# Altium PCB board.PcbDoc (part 2 of 2)
Units mm, origin at the board's own origin, x right, y up, seen from the top; angles counter-clockwise.
Board outline 122.6 x 89.6 mm, 4 copper layers (Top Layer, Mid Layer 1, Mid Layer 2, Bottom Layer), stack 1.57 mm thick; 184 components, 111 nets, 541 pads, 472 vias.
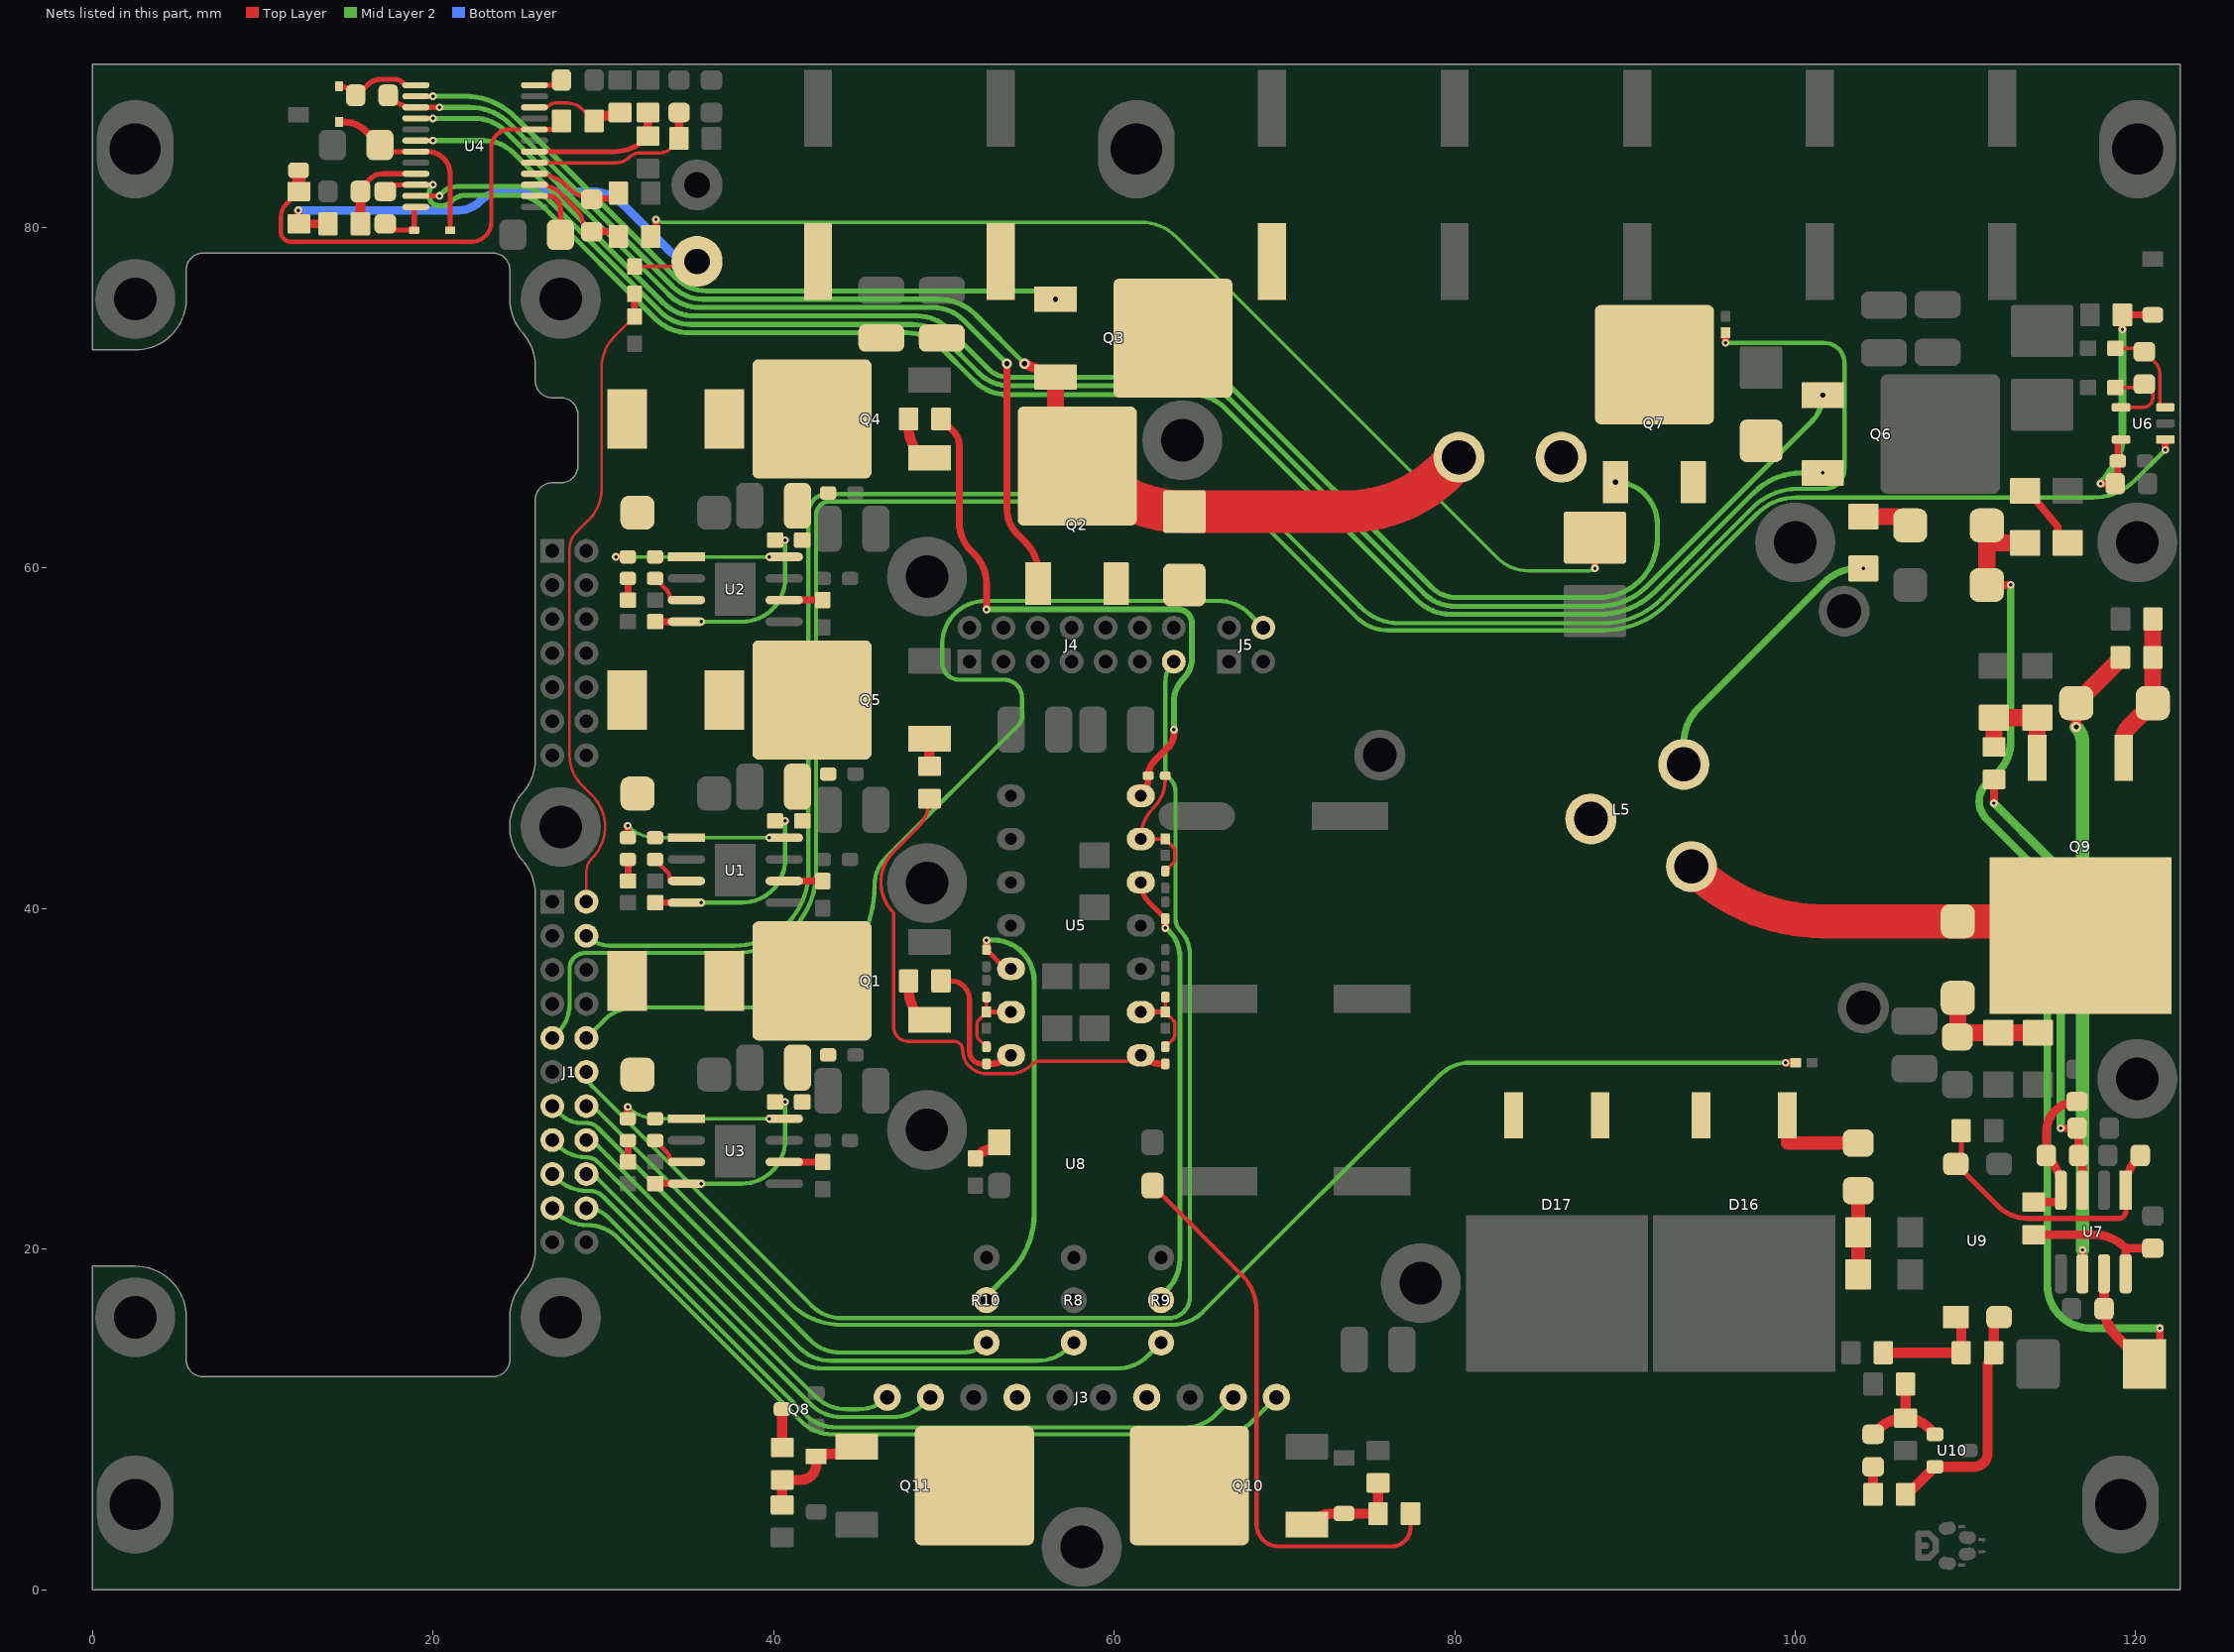
[diagram p4: the nets of this part, all layers, seen from the top]

## Via types
v1: diameter 0.6, hole 0.3, Top Layer to Bottom Layer, tented both sides, 425 vias
v2: diameter 0.45, hole 0.2, Top Layer to Bottom Layer, tented both sides, 47 vias

## Nets (pads, with @x,y where several pads share a name; then routed paths per layer and width w, separated by ;. In a path a pad name is that pad's centre, name@x,y a point inside that pad or via, vN(x,y) a via of type N, cw(c..) or ccw(c..) an arc to the next point about the centre after c; other vN are vias at no path point) (continued)
NetC11_1: C11.1 R7.2 U4.5 | length 10.4
  Top Layer w0.2: U4.5@26.079,83.804 30.784,83.804 ccw(c30.784,84.816) 31.5,84.1 cw(c32.19,83.41) 32.19,84.386 33.346,84.386 ccw(c33.346,85.22) 33.936,84.63 34.38,85.074 ccw(c34.23,85.224) R7.2@34.442,85.224
  Top Layer w0.5: R7.2@34.442,85.224 C11.1@34.442,86.748
NetC12_2: C12.2 R9.2 U5.5 | length 25.5
  Top Layer w0.3: U5.5@61.56,41.54 ccw(c63.25,41.54) 62.055,40.345 C12.2@63,39.4
  Top Layer w0.45: v2(63,38.851) C12.2@63,39.4
  Mid Layer 2 w0.3: R9.2@62.75,17.25 63.112,17.612 ccw(c61.316,19.408) 63.856,19.408 63.856,37.16 ccw(c61.701,37.16) 63.456,38.409 ccw(c61.701,37.16) 63.225,38.683 63.097,38.81 ccw(c63,38.713) v2(63,38.851)
NetC13_1: C13.1 U4.12 | length 1.5
  Top Layer w0.3: U4.12@26.079,88.354 26.823,88.354 ccw(c26.823,89.376) C13.1@27.546,88.653
NetC14_2: C14.2 R10.2 U5.12 | length 26
  Top Layer w0.3: C14.2@52.5,37.584 53.401,36.683 ccw(c53.94,37.223) U5.12@53.94,36.46
  Top Layer w0.45: C14.2@52.5,37.584 v2(52.5,38.133)
  Mid Layer 2 w0.3: R10.2@52.5,17.25 53.875,18.625 ccw(c50.436,22.065) 55.3,22.065 55.3,35.728 ccw(c52.875,35.728) 52.628,38.14 v2(52.5,38.133)
NetC15_1: C15.1 U4.2 | length 3.4
  Top Layer w0.3: U4.2@26.079,81.854 26.721,81.854 cw(c26.721,81.096) 27.479,81.096 C15.1@27.479,79.567
NetC16_1: C16.1 R14.1 | length 1.3
  Top Layer w0.4: C16.1@31.431,42.885 cw(c31.431,42.866) 31.45,42.866 R14.1@31.45,41.615
NetC16_2: C16.2 U1.3 | length 2.6
  Top Layer w0.25: C16.2@33.031,42.885 33.715,42.202 cw(c33.269,41.756) 33.899,41.756 33.899,41.615 U1.3@34.875,41.615
NetC17_1: C17.1 R15.1 | length 1.3
  Top Layer w0.4: R15.1@31.45,58.115 C17.1@31.45,59.366
NetC17_2: C17.2 U2.3 | length 2.6
  Top Layer w0.25: C17.2@33.031,59.385 33.714,58.702 cw(c33.269,58.256) 33.899,58.256 33.899,58.115 U2.3@34.875,58.115
NetC18_1: C18.1 R16.1 | length 1.3
  Top Layer w0.4: R16.1@31.45,25.115 C18.1@31.45,26.366
NetC18_2: C18.2 U3.3 | length 2.6
  Top Layer w0.25: C18.2@33.031,26.385 33.714,25.702 cw(c33.269,25.256) 33.899,25.256 33.899,25.115 U3.3@34.875,25.115
NetC19_1: C19.1 R12.1 U4.21 | length 5.7
  Top Layer w0.3: C19.1@15.73,82.113 15.992,82.113 cw(c17.033,82.113) 17.033,83.154 U4.21@18.888,83.154
  Top Layer w0.6: R12.1@15.73,80.208 C19.1@15.73,82.113
NetC20_1: C20.1 D2.2 L1.1 U1.1
NetC20_2: C20.2 U1.8 | length 9.2
  Top Layer w0.4: C20.2@31.431,44.155 v2(31.431,44.856)
  Mid Layer 2 w0.2: v2(31.431,44.856) ccw(c33.123,46.548) 33.123,44.155 v2(39.75,44.155)
NetC21_1: C21.1 D3.2 L2.1 U2.1
NetC21_2: C21.2 U2.8 | length 9.7
  Top Layer w0.4: v2(30.73,60.654) C21.2@31.431,60.655
  Mid Layer 2 w0.2: v2(30.73,60.654) v2(39.75,60.655)
NetC22_1: C22.1 D4.2 L3.1 U3.1
NetC22_2: C22.2 U3.8 | length 9.2
  Top Layer w0.4: C22.2@31.431,27.655 v2@31.431,28.355
  Mid Layer 2 w0.2: v2(31.43,28.356) ccw(c33.123,30.048) 33.123,27.655 v2(39.75,27.655)
NetC23_1: C23.1 D5.1 D6.1 U4.19 | length 11.4
  Top Layer w0.3: C23.1@16.577,84.864 16.987,84.454 18.888,84.454 19.677,84.454 cw(c19.677,83.133) 20.998,83.133 D5.1@20.998,79.964
  Top Layer w0.4: D6.1@14.477,86.184 14.838,86.184 cw(c14.838,84.579) 15.972,85.714 ; 15.973,85.714 16.783,84.903 ccw(c16.877,84.997) C23.1@16.877,84.864
NetC24_2: C24.2 C29.2 R18.1 U5.2 | length 4.8
  Top Layer w0.2: C29.2@63,31.88 63.462,32.342 ccw(c63.251,32.553) 63.549,32.553 63.549,33.237 ccw(c63.236,33.237) 63.458,33.458 R18.1@62.996,33.92 63,33.924 C24.2@63,34.8
  Top Layer w0.3: U5.2@61.56,33.92 R18.1@62.996,33.92
NetC25_2: C25.2 C27.1 R19.1 U5.6 | length 7.9
  Top Layer w0.2: C25.2@62.996,42.2 63.479,42.684 ccw(c63.299,42.863) 63.554,42.863 63.554,43.417 ccw(c63.299,43.417) 63.479,43.596 R19.1@62.996,44.08 U5.6@61.56,44.08 61.56,44.108 cw(c64.1,44.108) 62.304,45.904 ccw(c60.624,47.584) 63,47.584 C27.1@63,47.8
NetC26_2: C26.2 C28.1 R20.1 U5.13 | length 4.8
  Top Layer w0.2: 52.038,32.342 cw(c52.249,32.553) 51.951,32.553 51.951,33.237 cw(c52.264,33.237) 52.042,33.458 R20.1@52.504,33.92 52.5,33.924 C26.2@52.5,34.8 ; 52.038,32.342 C28.1@52.5,31.88
  Top Layer w0.3: R20.1@52.504,33.92 U5.13@53.94,33.92
NetC27_2: C27.2 R28.2 U5.7 | length 35.7
  Top Layer w0.4: R28.2@49.828,68.75 50.562,68.016 cw(c49.745,67.2) 50.9,67.2 50.9,62.69 ccw(c53.29,62.69) 51.6,61 51.758,60.842 cw(c49.962,59.046) 52.502,59.046 v2@52.502,57.516 ; U5.7@61.56,46.62 ccw(c60.498,47.682) 62,47.682 C27.2@62,47.8 cw(c63.207,47.8) 62.354,48.654 63.174,49.474 ; 63.175,49.475 ccw(c62.369,50.28) 63.508,50.28 v2(63.508,50.5)
  Mid Layer 2 w0.35: v2(52.502,57.567) 63.744,57.567 cw(c63.744,56.744) 64.567,56.744 64.567,54.719 cw(c62.832,54.719) 64.059,53.492 ; v2(63.508,50.5) 63.508,52.163 cw(c65.389,52.163) 64.058,53.492
NetC28_2: C28.2 R29.2 U5.14 | length 8.3
  Top Layer w0.3: R29.2@49.828,35.75 50.396,35.75 cw(c50.396,34.646) 51.5,34.646 51.5,31.6 ccw(c52.22,31.6) 52.22,30.88 C28.2@52.5,30.88
  Top Layer w0.4: C28.2@52.5,30.88 52.733,30.88 ccw(c52.733,32.587) U5.14@53.94,31.38
NetC29_1: C29.1 R27.2 U5.1 | length 32.5
  Top Layer w0.2: R27.2@49.15,46.447 cw(c46.742,46.447) 48.445,44.745 47.044,43.344 ccw(c48.84,41.548) 47.044,39.752 47.044,33.056 ccw(c47.9,33.056) 47.9,32.2 50.6,32.2 cw(c50.6,31.7) 51.1,31.7 ccw(c52.5,31.7) 52.5,30.3 53.893,30.3 ccw(c53.893,32.007) 55.1,30.8 cw(c55.66,30.24) 55.66,31.032 60.72,31.032 ccw(c60.72,32.22) 61.557,31.377 ccw(c60.72,32.22) U5.1@61.56,31.38
  Top Layer w0.4: U5.1@61.557,31.377 ccw(c62.762,32.587) 62.762,30.88 C29.1@63,30.88
NetC30_2: C30.2 C33.2 L1.2 Q5.2 R21.1
NetC31_2: C31.2 C34.2 L2.2 Q4.2 R23.1
NetC32_2: C32.2 C35.2 L3.2 Q1.2 R25.1
NetC36_1: C36.1 D5.2 U4.24 | length 3.5
  Top Layer w0.3: C36.1@17.187,80.208 17.187,79.837 D5.2@18.888,79.837 18.888,81.104 U4.24@18.988,81.204
NetC36_2: C36.2 D8.1 L4.2 Q6.3 Q7.2 U4.22 | length 98.6
  Top Layer w0.3: C36.2@17.187,82.113 17.578,82.504 U4.22@18.888,82.504 ; U4.22@18.988,82.504 v2(19.987,82.503)
  Top Layer w1.5: Q7.2@91.727,71.94 cw(c91.727,71.822) Q7.2@91.811,71.906
  Mid Layer 2 w0.3: v2(19.987,82.503) 19.966,82.482 ccw(c20.433,82.015) 19.773,82.015 19.773,81.827 ccw(c20.32,81.827) 20.32,81.28 20.554,81.28 ccw(c20.554,81.94) 21.021,81.473 21.112,81.564 cw(c21.907,80.769) 21.907,81.893 24.812,81.893 cw(c24.812,79.521) 26.489,81.198 33.051,74.637 ccw(c35.046,76.631) 35.046,73.81 47.841,73.81 cw(c47.841,71.082) 49.771,73.011 51.799,70.983 ccw(c53.738,72.922) 53.738,70.18 64.632,70.18 cw(c64.632,67.576) 66.473,69.417 77.792,58.098 ccw(c79.759,60.064) 79.759,57.283 88.516,57.283 ccw(c88.516,61.902) 91.783,58.636 97.572,64.425 cw(c100.362,61.635) 100.362,65.581 v2(101.612,65.581)
NetC37_1: C37.1 D6.2 U4.13 | length 5
  Top Layer w0.3: D6.2@14.477,88.294 cw(c14.477,87.225) 15.232,87.981 C37.1@15.455,87.758 ccw(c15.455,87.978) 15.61,87.823 16.18,88.393 cw(c16.922,87.651) 16.922,88.7 17.759,88.7 cw(c17.759,88.109) 18.177,88.527 18.35,88.354 U4.13@18.888,88.354
NetC37_2: C37.2 D7.2 L4.1 Q2.2 Q3.3 U4.15 | length 75.1
  Top Layer w0.3: C37.2@17.36,87.758 17.482,87.636 ccw(c18.888,89.041) U4.15@18.888,87.054 ; U4.15@18.988,87.054 v2@20.368,87.054
  Top Layer w0.6: v1(54.737,72) Q3.3@56.55,71.214
  Top Layer w1: Q3.3@56.55,71.214 56.55,68.311 ccw(c59.09,68.311) 57.294,66.515 Q2.2@57.828,65.981
  Top Layer w2.5: Q2.2@57.828,65.981 58.264,65.981 58.687,65.558 ccw(c64.123,70.993) D7.2@64.123,63.306 73.618,63.306 ccw(c73.618,71.607) 79.487,65.737 L4.1@80.25,66.5
  Mid Layer 2 w0.3: v2(20.368,87.054) 22.137,87.054 cw(c22.137,83.653) 24.542,86.058 34.07,76.53 ccw(c35.866,78.326) 35.866,75.786 49.649,75.786 cw(c49.649,72.643) 51.872,74.865 v1(54.737,72)
NetC38_1: C38.1 R32.1 U4.3 | length 6.2
  Top Layer w0.25: U4.3@26.079,82.504 26.256,82.504 cw(c26.256,80.756) 27.492,81.992 28.371,81.112 cw(c27.266,80.007) 28.829,80.007 cw(c28.829,79.449) 29.224,79.844 C38.1@29.319,79.749 ; R32.1@30.85,79.749 ccw(c30.85,79.792) R32.1@30.881,79.761
  Top Layer w0.4: C38.1@29.319,79.749 R32.1@30.85,79.749
NetC38_2: C38.2 R33.1 U4.4 | length 5.2
  Top Layer w0.25: U4.4@26.079,83.154 cw(c26.079,80.646) 27.852,82.419 27.991,82.28 ccw(c29.411,83.699) 27.993,82.278 ccw(c29.411,83.699) 28.531,81.895 ccw(c29.411,83.699) C38.2@29.411,81.692
  Top Layer w0.4: C38.2@29.411,81.692 R33.1@30.881,81.692
NetC39_1: C39.1 R42.2 U7.8 | length 8.7
  Top Layer w0.5: R42.2@114,20.845 117.555,20.845 cw(c117.555,18.305) 119.351,20.101 119.405,20.047 ; U7.8@119.405,18.55 119.405,20.047 ; C39.1@121,20.047 119.405,20.047
NetC40_1: C40.1 R40.2 U6.3 | length 5.7
  Top Layer w0.2: R40.2@118.8,72.91 120.5,72.91 C40.1@120.5,72.702 121.144,72.058 cw(c120.498,71.412) 121.412,71.412 121.412,69.756 ccw(c121.732,69.756) U6.3@121.732,69.436
NetC40_2: C40.2 R43.2 U6.4 | length 5.2
  Top Layer w0.2: R43.2@118.8,70.59 120.5,70.59 C40.2@120.5,70.797 cw(c120.5,70.292) 121.006,70.292 121.006,70.028 cw(c120.414,70.028) 120.414,69.436 U6.4@119.132,69.436
NetC41_1: C41.1 C43.1 R42.1 U7.4 | length 8.8
  Top Layer w0.5: R42.1@114,22.75 115.585,22.75 115.585,23.816 ccw(c113.055,23.591) 114.851,25.387 C43.1@114.739,25.5 114.739,26.852 cw(c116.548,26.852) C41.1@116.548,28.661
NetC42_2: C42.2 R44.1 U7.1 U9.4 | length 17
  Top Layer w0.3: R44.1@109.748,26.955 109.748,25.767 cw(c108.663,25.767) U9.4@109.43,25 111.889,22.541 ccw(c113.685,24.337) 113.685,21.797 118.964,21.797 ccw(c118.964,22.256) 119.422,22.27 U7.1@119.405,23.45
  Top Layer w0.5: U7.1@119.405,23.45 119.405,23.591 cw(c121.945,23.591) 120.149,25.387 C42.2@120.262,25.5
NetC43_2: C43.2 C47.1 R49.1 U7.3 | length 26.7
  Top Layer w0.45: v2(111.67,46.186) R49.1@111.67,47.586 ; v2(115.6,27.1) C47.1@116.548,27.101
  Top Layer w0.5: C47.1@116.548,27.101 cw(c116.316,26.869) 116.644,26.869 C43.2@116.644,25.5 cw(c116.109,24.965) 116.865,24.965 U7.3@116.865,23.45
  Mid Layer 2 w0.5: v2(111.67,46.186) 114.856,43 cw(c113.06,41.204) 115.6,41.204 v2(115.6,27.1)
NetC44_2: C44.2 C45.2 D9.2 R39.1 U6.5 | length 15.6
  Top Layer w0.4: C45.2@118.941,64.948 C44.2@118.941,66.28 118.941,67.345 cw(c119.132,67.345) U6.5@119.132,67.536 ; R39.1@119.215,74.865 D9.2@121,74.865
  Top Layer w0.45: v2(117.934,64.948) C45.2@118.788,64.948 ; v2(119.215,74.011) R39.1@119.215,74.865
  Mid Layer 2 w0.45: v2(117.934,64.948) ccw(c114.843,68.04) 119.215,68.04 v2(119.215,74.011)
NetC46_1: C46.1 C48.1 D10.2 D12.2 R46.2 U7.7 | length 67
  Top Layer w0.45: D10.2@111.25,59 v2(112.65,59) ; C46.1@120.507,13.25 121.407,14.15 v2(121.407,15.35)
  Top Layer w0.6: U7.7@118.135,18.55 118.135,16.674 ccw(c120.675,16.674) 118.879,14.878 C46.1@120.507,13.25
  Top Layer w1: D10.2@111.25,59 111.25,61.476 ; D12.2@111.25,62.5 111.25,61.476 ; R46.2@113.5,61.476 111.25,61.476
  Mid Layer 2 w0.45: v2(112.65,59) 112.65,49.802 cw(c110.11,49.802) 111.906,48.006 111.224,47.324 ccw(c112.249,46.3) 110.8,46.3 ccw(c112.249,46.3) 111.224,45.276 114.056,42.444 cw(c112.26,40.648) 114.8,40.648 114.8,17.89 ccw(c117.34,17.89) 117.34,15.35 v2(121.407,15.35)
NetC52_2: C52.2 D13.2 R50.2 R53.2 | length 6.7
  Top Layer w1: D13.2@109.542,34.75 109.542,32.713 R50.2@111.917,32.713 R53.2@114.248,32.713
NetC59_1: C59.1 R60.2 R61.2 | length 4.9
  Top Layer w0.8: R61.2@103.7,18.508 R60.2@103.7,20.985 C59.1@103.7,23.425
NetC59_2: C59.2 D16.1 D16.3 D17.1 D17.3 L5.6 | length 5.8
  Top Layer w0.8: D16.1@99.54,27.85 99.54,26.225 C59.2@103.7,26.225
NetC67_1: C67.1 R65.2 R66.1 U10.1 | length 6.2
  Top Layer w0.6: C67.1@104.572,9.121 104.851,9.4 cw(c106.477,7.774) R66.1@106.477,10.074 ; R65.2@106.477,12.074 R66.1@106.477,10.074 ; U10.1@108.2,9.119 107.788,9.53 ccw(c106.477,8.219) R66.1@106.477,10.074
NetC67_2: C67.2 R64.2 | length 1.6
  Top Layer w0.6: R64.2@104.572,5.6 C67.2@104.572,7.216
NetD1_2: D1.2 R1.1 R2.2 U4.8 | length 26.3
  Top Layer w0.25: R1.1@12.112,82.113 11.379,81.38 ccw(c12.154,80.605) 11.058,80.605 11.058,79.738 ccw(c11.631,79.738) 11.631,79.165 22.276,79.165 ccw(c22.276,80.307) 23.418,80.307 23.418,84.684 cw(c24.488,84.684) 24.488,85.754 U4.8@26.079,85.754
  Top Layer w0.3: U4.8@26.079,85.754 R2.2@27.389,85.754
  Top Layer w0.8: D1.2@12.1,83.356 12.1,82.125 R1.1@12.112,82.113
NetD7_1: D7.1 Q2.3 Q7.3 R32.2 R34.2 | length 66.4
  Top Layer w0.4: R32.2@32.786,79.461 33.086,79.761 v2(33.086,80.461) ; v2(88.236,59.983) R34.2@88.236,61.783
  Mid Layer 2 w0.2: v2(33.086,80.461) ccw(c33.453,80.829) 33.453,80.309 61.551,80.309 cw(c61.551,77.316) 63.667,79.433 82.518,60.582 ccw(c84.314,62.378) 84.314,59.838 87.886,59.838 ccw(c87.886,60.333) v2(88.236,59.983)
NetD11_1: D11.1 Q9.1 R48.1 R51.1 | length 8.8
  Top Layer w1: Q9.1@119.29,48.85 119.29,49.972 cw(c120.204,49.972) 119.558,50.619 D11.1@121,52.061 R48.1@121,54.75 R51.1@121,57
NetD11_2: D11.2 R48.2 U7.6 | length 37.4
  Top Layer w0.45: U7.6@116.865,18.55 v2(116.865,19.95)
  Top Layer w0.6: v1(116.5,50.661) D11.2@116.5,52.061
  Top Layer w1: D11.2@116.5,52.061 119.028,54.589 ccw(c118.867,54.75) R48.2@119.095,54.75
  Mid Layer 2 w0.8: v1(116.5,50.661) cw(c115.619,49.78) 116.865,49.78 v2(116.865,19.95)
NetD12_1: D12.1 R52.2 | length 2.9
  Top Layer w1: R52.2@104,63.024 105.847,63.024 cw(c105.847,62.11) 106.494,62.756 D12.1@106.75,62.5
NetD13_1: D13.1 L5.2 Q9.2 | length 24.6
  Top Layer w2: L5.2@93.9,42.465 ccw(c101.663,50.228) 101.663,39.25 D13.1@109.542,39.25 116.75,39.25 Q9.2@116.75,38.4
NetD14_2: D14.2 Q10.1 R56.2 R58.1 | length 6.2
  Top Layer w0.6: Q10.1@71.31,3.814 cw(c72.882,2.242) 72.882,4.465 D14.2@73.5,4.465 R56.2@75.5,4.465 R58.1@75.5,6.264
NetD15_1: D15.1 Q11.1 R57.2 R59.2 | length 6.9
  Top Layer w0.6: R59.2@40.5,4.969 40.5,6.437 41.575,6.437 ccw(c41.575,7.362) 42.5,7.362 D15.1@42.5,7.834 ; D15.1@42.632,7.966 44.47,7.966 Q11.1@44.89,8.386
NetJ3_4: J3.4 Q11.2
NetJ3_7: J3.7 Q10.2
NetL5_4: L5.4 R52.1 | length 16.5
  Mid Layer 2 w0.4: L5.4@93.45,48.465 93.45,49.698 cw(c96.383,49.698) 94.309,51.772 101.68,59.143 cw(c103.695,57.128) v2@103.998,59.962
  other v2: 104,59.976
NetQ1_1: Q1.1 R29.1 | length 2.6
  Top Layer w0.6: R29.1@47.923,35.75 47.923,35.304 ccw(c50.463,35.304) 48.667,33.508 Q1.1@48.798,33.377
NetQ2_1: Q2.1 U4.16 | length 53.8
  Top Layer w0.3: U4.16@18.988,86.404 v2@19.987,86.404
  Top Layer w0.4: v1(53.7,72) 53.7,63.449 ccw(c55.749,63.449) 54.3,62 54.798,61.502 cw(c53.002,59.706) 55.542,59.706 Q2.1@55.542,59.081
  Mid Layer 2 w0.3: v2(19.987,86.404) 22.444,86.404 cw(c22.444,83.864) 24.24,85.66 33.856,76.044 ccw(c35.652,77.84) 35.652,75.3 49.348,75.3 cw(c49.348,72.76) 51.144,74.556 v1(53.7,72)
NetQ3_1: Q3.1 U4.14 | length 42.1
  Top Layer w0.3: U4.14@18.988,87.704 v2(19.987,87.704)
  Mid Layer 2 w0.3: v2(19.987,87.704) 21.838,87.704 cw(c21.838,83.46) 24.839,86.461 34.312,76.988 ccw(c36.04,78.716) 36.04,76.272 55.377,76.272 cw(c55.377,74.613) v1(56.55,75.786)
NetQ4_1: Q4.1 R28.1 | length 2.6
  Top Layer w0.6: R28.1@47.923,68.75 47.923,68.304 ccw(c50.463,68.304) 48.667,66.508 Q4.1@48.798,66.377
NetQ5_1: Q5.1 R27.1 | length 1.6
  Top Layer w0.6: R27.1@49.15,48.352 Q5.1@49.15,49.964
NetQ6_1: Q6.1 U4.23 | length 97.8
  Top Layer w0.3: U4.23@18.988,81.854 v2(20.368,81.853)
  Mid Layer 2 w0.3: v2(20.368,81.853) 20.587,82.072 cw(c21.382,81.277) 21.382,82.401 25.016,82.401 cw(c25.016,80.029) 26.694,81.706 33.356,75.044 ccw(c35.152,76.84) 35.152,74.3 48.148,74.3 cw(c48.148,71.76) 49.944,73.556 52.056,71.444 ccw(c53.852,73.24) 53.852,70.7 64.948,70.7 cw(c64.948,68.16) 66.744,69.956 78.186,58.514 ccw(c80.028,60.357) 80.028,57.751 88.432,57.751 ccw(c88.432,61.82) 91.308,58.943 100.971,68.605 ccw(c99.423,70.153) v1(101.612,70.153)
NetQ7_1: Q7.1 U4.18 | length 90.1
  Top Layer w0.3: U4.18@18.988,85.104 v2(19.987,85.104)
  Mid Layer 2 w0.3: v2(19.987,85.104) 22.944,85.104 cw(c22.944,82.564) 24.74,84.36 33.556,75.544 ccw(c35.352,77.34) 35.352,74.8 48.448,74.8 cw(c48.448,72.26) 50.244,74.056 52.605,71.695 ccw(c53.8,72.89) 53.8,71.2 65.248,71.2 cw(c65.248,68.66) 67.044,70.456 78.617,58.883 ccw(c80.12,60.386) 80.12,58.26 88.441,58.26 ccw(c88.441,61.72) 91.9,61.72 91.9,62.581 ccw(c89.441,62.581) v1(89.441,65.04)
NetQ8_3: Q8.3 R57.1 | length 2.3
  Top Layer w0.6: R57.1@40.504,8.346 Q8.3@40.504,10.6
NetQ9_3: Q9.3 R49.2 R54.1 R55.1 | length 6.6
  Top Layer w1: R49.2@111.67,49.491 R54.1@111.67,51.213 R55.1@114.21,51.213 Q9.3@114.21,48.85
NetR2_1: R2.1 R3.2 U4.10 | length 5.4
  Top Layer w0.2: U4.10@26.079,87.054 26.545,87.054 ccw(c26.545,87.486) 26.85,87.18 cw(c27.156,86.874) 27.156,87.307 27.883,87.307 cw(c27.883,86.058) 28.766,86.941 R2.1@29.451,86.256
  Top Layer w0.6: R2.1@29.451,86.256 cw(c30.222,85.485) 30.222,86.575 R3.2@30.904,86.575
NetR4_1: R4.1 U1.6 | length 2.3
  Top Layer w0.4: U1.6@40.625,41.615 R4.1@42.883,41.615
NetR5_1: R5.1 U2.6 | length 2.3
  Top Layer w0.4: U2.6@40.625,58.115 R5.1@42.883,58.115
NetR6_1: R6.1 U3.6 | length 2.3
  Top Layer w0.4: U3.6@40.625,25.115 R6.1@42.883,25.115
NetR21_2: R21.2 R22.1 U1.4 | length 11.1
  Top Layer w0.4: R22.1@33.05,40.345 U1.4@34.875,40.345
  Top Layer w0.45: R21.2@40.077,45.14 v2(40.677,45.14)
  Mid Layer 2 w0.25: v2(35.75,40.345) 38.137,40.345 ccw(c38.137,42.885) 40.677,42.885 v2(40.677,45.14)
NetR23_2: R23.2 R24.1 U2.4 | length 11.1
  Top Layer w0.4: R24.1@33.05,56.845 U2.4@34.875,56.845
  Top Layer w0.45: R23.2@40.076,61.64 v2(40.676,61.64)
  Mid Layer 2 w0.25: v2(35.75,56.845) 38.136,56.845 ccw(c38.136,59.385) 40.676,59.385 v2(40.676,61.64)
NetR25_2: R25.2 R26.1 U3.4 | length 11.1
  Top Layer w0.4: R26.1@33.05,23.845 U3.4@34.875,23.845
  Top Layer w0.45: R25.2@40.076,28.64 v2(40.676,28.64)
  Mid Layer 2 w0.25: v2(35.75,23.845) 38.136,23.845 ccw(c38.136,26.385) 40.676,26.385 v2(40.676,28.64)
NetR30_2: R30.2 R31.1 U4.6 | length 8.2
  Top Layer w0.3: U4.6@26.079,84.454 30.654,84.454 ccw(c30.654,86.994) 32.45,85.198 R31.1@32.616,85.364
  Top Layer w0.5: R31.1@32.616,85.364 R30.2@32.616,86.748
NetR45_2: R45.2 R46.1 | length 4.2
  Top Layer w0.45: R46.1@113.5,64.524 113.702,64.504 115.407,62.425 115.407,62.069 ccw(c116,62.069) R45.2@116,61.476
NetR47_2: R47.2 U8.1 | length 1.8
  Top Layer w0.6: R47.2@51.841,25.33 52.019,25.508 cw(c52.997,24.531) 52.997,25.913 53.177,26.093 ccw(c52.999,26.27) U8.1@53.25,26.27
NetR56_1: R56.1 U8.3 | length 33.5
  Top Layer w0.25: U8.3@62.25,23.73 67.48,18.5 cw(c65.357,16.376) 68.36,16.376 68.36,3.827 ccw(c69.647,3.827) 69.647,2.54 76.302,2.54 ccw(c76.302,3.643) 77.405,3.643 R56.1@77.405,4.465
NetR62_2: R62.2 R63.1 U9.1 | length 6.7
  Top Layer w0.6: R62.2@105.172,13.914 R63.1@109.748,13.914 109.748,15.233 ccw(c108.663,15.233) U9.1@109.43,16
NetR63_2: R63.2 R64.1 U9.2 U10.2 | length 14.1
  Top Layer w0.6: R64.1@106.477,5.6 ccw(c106.477,5.853) 106.655,5.674 U10.2@108.2,7.219 110.5,7.219 ccw(c110.5,8.019) 111.3,8.019 111.3,13.063 cw(c112.504,13.063) R63.2@111.653,13.914 111.653,15.233 cw(c112.737,15.233) U9.2@111.97,16
S_LD_0: J1.16 R8.1 | length 34.2
  Mid Layer 2 w0.25: J1.16@29,26.4 29.324,26.4 41.536,14.188 ccw(c43.332,15.984) 43.332,13.444 55.517,13.444 ccw(c55.517,15.984) 57.313,14.188 R8.1@57.625,14.5
S_LD_1: J1.15 R9.1 | length 41.6
  Mid Layer 2 w0.25: J1.15@27,26.4 27.324,26.076 ccw(c28.956,27.708) 28.956,25.4 cw(c28.956,24.361) 29.691,25.096 41.056,13.73 ccw(c42.852,15.527) 42.852,12.987 60.184,12.987 ccw(c60.184,15.527) 61.98,13.73 R9.1@62.75,14.5
S_LD_2: J1.13 R10.1 | length 31.4
  Mid Layer 2 w0.25: J1.13@27,28.4 27.497,27.903 ; 27.497,27.903 ccw(c28.696,29.102) 28.696,27.407 29,27.407 cw(c29,26.47) 29.662,27.132 42.131,14.663 ccw(c43.927,16.459) 43.927,13.919 51.098,13.919 ccw(c51.098,15.902) R10.1@52.499,14.499
SNS_I_+24_0: J1.9 U6.1 | length 130.2
  Top Layer w0.45: v2(121.732,66.936) U6.1@121.732,67.536
  Mid Layer 2 w0.25: J1.9@27,32.4 27.338,32.738 ccw(c25.711,34.366) 28.013,34.341 ; 28.013,34.366 cw(c25.711,34.366) 28.013,34.341 ; v2(121.732,66.936) 119.942,65.146 cw(c117.501,67.587) 117.501,64.135 100.019,64.135 ccw(c100.019,60.961) 97.775,63.205 92.438,57.869 cw(c88.741,61.566) 88.741,56.337 76.058,56.337 cw(c76.058,58.877) 74.262,57.081 68.181,63.162 ccw(c66.385,61.366) 66.385,63.906 43.28,63.906 ccw(c43.28,63.119) 42.493,63.119 42.493,42.133 cw(c37.749,42.133) 37.749,37.389 28.931,37.389 ccw(c28.931,36.471) 28.013,36.471 28.013,34.341
SNS_T0: J1.4 R38.1 | length 119.2
  Top Layer w0.45: v2(95.9,73.224) R38.1@95.9,73.824
  Mid Layer 2 w0.25: J1.4@29,38.4 ccw(c30.399,39.799) 30.399,37.821 37.699,37.821 ccw(c37.699,42.168) 42.047,42.168 42.047,63.246 cw(c43.139,63.246) 43.139,64.338 66.791,64.338 cw(c66.791,61.798) 68.587,63.594 74.508,57.673 ccw(c76.714,59.879) 76.714,56.76 88.741,56.76 ccw(c88.741,61.536) 92.119,58.159 97.531,63.571 cw(c100.119,60.984) 100.119,64.643 101.729,64.643 ccw(c101.729,65.809) 102.895,65.809 102.895,72.021 ccw(c101.692,72.021) 101.692,73.224 v2(95.9,73.224)
SNS_T1: J1.14 R37.1 | length 82.3
  Top Layer w0.45: v2(99.424,30.95) R37.1@100.024,30.95
  Mid Layer 2 w0.25: J1.14@29,28.4 cw(c29,27.493) 29.641,28.135 40.973,16.803 ccw(c43.976,19.807) 43.976,15.559 63.408,15.559 ccw(c63.408,18.099) 65.204,16.303 79.108,30.206 cw(c80.904,28.41) 80.904,30.95 v2(99.424,30.95)
SNS_T2: J1.10 J5.4 | length 63.9
  Mid Layer 2 w0.25: J1.10@29,32.4 30.041,33.441 cw(c31.837,31.645) 31.837,34.185 38.743,34.185 ccw(c38.743,41.366) 45.923,41.366 45.923,41.377 cw(c48.185,41.377) 46.586,42.976 54.374,50.764 ccw(c53.864,51.275) 54.585,51.308 54.585,52.375 ccw(c53.518,52.375) 53.518,53.442 50.886,53.442 cw(c50.886,54.431) 49.896,54.431 49.896,55.524 cw(c52.436,55.524) 52.436,58.064 66.133,58.064 cw(c66.133,55.524) 67.93,57.32 J5.4@68.75,56.5
SNS_T3: J1.12 J4.13 | length 80.1
  Mid Layer 2 w0.25: J1.12@29,30.4 ccw(c30.198,30.4) 29.35,29.554 42.22,16.684 ccw(c44.016,18.48) 44.016,15.94 63.21,15.94 ccw(c63.21,17.17) 64.44,17.17 64.44,37.361 ccw(c62.532,37.361) 63.881,38.71 cw(c64.556,39.384) 63.602,39.384 63.602,46.817 ccw(c62.387,46.817) 63.246,47.676 cw(c63.84,48.27) 63,48.27 63,53.293 cw(c64.707,53.293) J4.13@63.5,54.5
SNS_VIN: J1.2 R35.2 R36.1 | length 37.9
  Top Layer w0.15: 28.397,62.077 ccw(c29.317,61.158) 28.016,61.158 28.016,48.997 ccw(c30.517,48.997) 28.749,47.228 29.338,46.638 cw(c27.5,44.8) 29.338,42.962 ccw(c30.156,42.144) 29,42.144 J1.2@29,40.4 ; 28.397,62.078 29.152,62.832 ccw(c27.356,64.628) 29.896,64.628 29.896,71.78 cw(c32.436,71.78) 30.64,73.576 R36.1@31.833,74.769
  Top Layer w0.4: R36.1@31.833,74.769 R35.2@31.833,76.096
Vin: C49.2 C53.2 C56.1 C60.1 C63.1 DN1.1 Q3.2 R1.2 R12.2 R35.1 | length 31.5
  Top Layer w0.2: R35.1@31.833,77.696 34.766,77.696 ccw(c34.766,78.734) DN1.1@35.5,78
  Top Layer w0.5: v2(12.087,81.008) 12.087,80.269 ccw(c12.174,80.269) R1.2@12.112,80.208 R12.2@13.825,80.208
  Bottom Layer w0.5: v2(12.087,81.008) 21.511,81.008 ccw(c21.511,82.689) 22.7,81.5 cw(c24.149,80.051) 24.149,82.1 29.348,82.1 cw(c29.348,79.56) 31.144,81.356 33.793,78.707 ccw(c35.5,80.414) DN1.1@35.5,78
X+: J1.19 J3.10 | length 48.5
  Mid Layer 2 w0.25: J1.19@27,22.4 27.247,22.153 ccw(c29.043,23.949) 29.043,21.409 29.05,21.409 cw(c29.05,18.869) 30.846,20.665 41.649,9.863 ccw(c43.445,11.659) 43.445,9.119 66.296,9.119 ccw(c66.296,11.659) 68.093,9.863 J3.10@69.53,11.3
X-: J1.20 J3.9 | length 43.8
  Mid Layer 2 w0.25: J1.20@29,22.4 cw(c29,20.599) 30.274,21.872 41.877,10.269 ccw(c43.673,12.065) 43.673,9.525 64.163,9.525 ccw(c64.163,12.065) 65.959,10.269 J3.9@66.99,11.3
Y+: J1.18 J3.1 | length 23.4
  Mid Layer 2 w0.25: J1.18@29,24.4 cw(c29,23.44) 29.678,24.119 ; 29.679,24.119 42.463,11.335 ccw(c44.259,13.131) 44.259,10.591 45.009,10.591 ccw(c45.009,12.889) J3.1@46.633,11.263 ; J3.1@46.634,11.264 J3.1@46.67,11.3
Y-: J1.17 J3.2 | length 28.2
  Mid Layer 2 w0.25: J1.17@27,24.4 27.237,24.163 ccw(c29.033,25.959) 29.033,23.419 29.21,23.419 cw(c29.21,22.372) 29.95,23.112 42.186,10.876 ccw(c43.982,12.672) 43.982,10.132 46.99,10.132 ccw(c46.99,12.672) 48.786,10.876 J3.2@49.21,11.3
pads on no net: J2.1 J2.2 J2.3 J2.4 J2.5 J2.6 J2.7 J2.8 J2.9 J2.10 J2.11 J2.12 J2.13 J2.14 LOGO1. U5.8

## Polygon pours and split planes (outlines as drawn)
GND on Top Layer "NONET_L02_P-001" (solid, remove dead copper, pour order 4): 0,89.6 0,0 122.6,0 122.6,89.6
-24V on Top Layer "NONET_L02_P-001" (solid, remove dead copper, pour order 3): 73.83,7.03 ccw(c73.83,7.6) 74.4,7.6 74.4,8.676 cw(c75.424,8.676) 74.7,9.4 ccw(c73.493,10.607) 75.2,10.607 75.2,15.548 cw(c77.74,15.548) 75.944,17.344 77.156,18.556 ccw(c75.36,20.352) 77.9,20.352 77.9,48.86 ccw(c75.36,48.86) 75.36,51.4 74.752,51.4 ccw(c74.752,48.86) 72.956,50.656 70.404,48.104 ccw(c72.2,46.308) 69.66,46.308 69.66,8.15 ccw(c70.78,8.15) 70.78,7.03
GND on Bottom Layer "NONET_L02_P-001" (solid, remove dead copper, pour order 1): 0,89.6 0,0 122.6,0 122.6,89.6
+24V on Mid Layer 1 "NONET_L02_P-001" (solid, remove dead copper, pour order 2): 0,89.6 0,0 122.6,0 122.6,89.6
GND on Mid Layer 2 "NONET_L02_P-001" (solid, remove dead copper, pour order 5): 0,89.6 0,0 122.6,0 122.6,89.6

## Keep-outs
Keep-Out Layer:
  the board outline again, w0

## Other copper
Top Layer:
  rectangle net +24V: 112.6,65.6 116.4,71.2
  rectangle net NetC37_2: 55.3,63.729 57.8,71.5
  rectangle net +24V_S: 77.5,76 82.5,83.5
  rectangle net +24V_S: 77.5,80.808 116.303,83.5
  rectangle net +24V_S: 111.513,72.5 116.303,83
  rectangle net +24V_S: 79.215,76 102,80.101
  pour cut-out: 32.027,82.682 32.027,78.854 ccw(c32.3,78.854) 32.3,78.581 33.267,78.581 ccw(c33.267,78.867) 33.553,78.867 33.553,82.702 ccw(c33.299,82.702) 33.299,82.956 32.301,82.956 ccw(c32.301,82.682)
  region net NetC21_1: 30.989,62.206 cw(c32.552,63.769) 30.341,63.769 30.341,70.5 32.6,70.5 32.6,65.549 ccw(c34.648,65.548) 33.2,64.1 33.263,64.036 cw(c31.728,62.5) 33.9,62.5 ccw(c35.1,62.5) 35.1,61.3 35.7,61.3 cw(c35.7,61) 36,61 36,60.362 32.791,60.362 cw(c32.791,60.78) 32.373,60.78 32.373,61.089 ccw(c31.445,61.089) 31.445,62.017 cw(c31.445,62.662)
  region net NetC22_1: 30.989,29.206 cw(c32.552,30.769) 30.341,30.769 30.341,37.5 32.6,37.5 32.6,32.549 ccw(c34.648,32.548) 33.2,31.1 33.263,31.036 cw(c31.728,29.5) 33.9,29.5 ccw(c35.1,29.5) 35.1,28.3 35.7,28.3 cw(c35.7,28) 36,28 36,27.362 32.791,27.362 cw(c32.791,27.78) 32.373,27.78 32.373,28.089 ccw(c31.445,28.089) 31.445,29.017 cw(c31.445,29.662)
  region net NetC20_1: 30.989,45.706 cw(c32.552,47.269) 30.341,47.269 30.341,54 32.6,54 32.6,49.049 ccw(c34.648,49.048) 33.2,47.6 33.264,47.536 cw(c31.728,46) 33.9,46 ccw(c35.1,46) 35.1,44.8 35.7,44.8 cw(c35.7,44.5) 36,44.5 36,43.862 32.791,43.862 cw(c32.791,44.28) 32.373,44.28 32.373,44.589 ccw(c31.445,44.589) 31.445,45.517 cw(c31.445,46.162)
  region net +24V: 105.1,32 ccw(c105.8,32) 105.8,31.3 114.7,31.3 cw(c114.7,30.9) 115.1,30.9 115.1,29.1 cw(c114.9,29.1) 114.9,28.9 103.6,28.9 cw(c103.6,30.1) 102.4,30.1 102.4,34.6 cw(c103.6,34.6) 103.6,35.8 104.6,35.8 cw(c104.6,34.9) 105.5,34.9 105.5,34.3 cw(c105.1,34.3) 105.1,33.9
  region net LD1_N: 59.4,42.696 ccw(c59.4,42.996) 59.7,42.996 59.7,44.296 ccw(c59.3,44.296) 59.3,44.696 58.4,44.696 ccw(c58.4,44.296) 58,44.296 58,42.985 ccw(c58.289,42.985) 58.289,42.696
  region net LD0_N: 58.3,33.4 ccw(c58.3,33.1) 58,33.1 58,31.8 ccw(c58.4,31.8) 58.4,31.4 59.3,31.4 ccw(c59.3,31.8) 59.7,31.8 59.7,33.111 ccw(c59.411,33.111) 59.411,33.4
  region net LD2_N: 56.1,33.4 ccw(c56.1,33.1) 55.8,33.1 55.8,31.8 ccw(c56.2,31.8) 56.2,31.4 57.1,31.4 ccw(c57.1,31.8) 57.5,31.8 57.5,33.111 ccw(c57.211,33.111) 57.211,33.4
  region net +24V: 45.98,1.628 ccw(c45.98,1.828) 46.18,1.828 46.18,3.575 ccw(c45.8,3.7) 46.2,3.7 46.2,5.7 ccw(c45.9,5.7) 45.9,6 43.8,6 ccw(c43.8,5.8) 43.6,5.8 43.6,4.053 ccw(c43.98,3.928) 43.58,3.928 43.58,1.928 ccw(c43.88,1.928) 43.88,1.628
  region net NetJ3_4: 55.3,11.3 ccw(c54.3,11.3) 54.3,12.3 54.1,12.3 ccw(c54.1,11.3) 53.1,11.3 53.1,10.9 cw(c51.9,10.9) 51.9,9.7 48.7,9.7 ccw(c48.7,9.3) 48.3,9.3 48.3,2.9 ccw(c48.6,2.9) 48.6,2.6 54.9,2.6 ccw(c54.9,3) 55.3,3
  region net NetJ3_7: 60.9,11.3 cw(c61.9,11.3) 61.9,12.3 62.1,12.3 cw(c62.1,11.3) 63.1,11.3 63.1,10.9 ccw(c64.3,10.9) 64.3,9.7 67.5,9.7 cw(c67.5,9.3) 67.9,9.3 67.9,2.9 cw(c67.6,2.9) 67.6,2.6 61.3,2.6 cw(c61.3,3) 60.9,3
  region net NetC59_2: 90.2,45.6 90.2,43.337 ccw(c99.947,43.337) 93.055,36.445 100.076,29.424 cw(c99.052,28.4) 100.5,28.4 100.5,26.5 cw(c99.8,26.5) 99.8,25.8 83.2,25.8 cw(c83.2,27) 82,27 82,39.444 cw(c90.584,39.444) 84.514,45.514 85.456,46.456 cw(c87.252,44.66) 87.252,47.2 88.6,47.2 cw(c88.6,45.6)
  region net NetC32_2: 41.964,28.2 ccw(c41.964,28.348) 42.112,28.348 42.112,30.398 cw(c42.615,30.398) 42.615,30.9 43.5,30.9 ccw(c43.5,31.2) 43.8,31.2 43.8,31.8 cw(c44.2,31.8) 44.2,32.2 45.4,32.2 ccw(c45.4,32.6) 45.8,32.6 45.8,38.9 ccw(c45.5,38.9) 45.5,39.2 38.209,39.2 ccw(c38.209,38.541) 37.55,38.541 37.55,37.95 cw(c37.1,37.95) 37.1,37.5 35.9,37.5 35.9,34 36.9,34 cw(c36.9,33.4) 37.5,33.4 37.5,32.7 ccw(c37.9,32.7) 37.9,32.3 39.8,32.3 cw(c39.8,31.5) 40.6,31.5 40.6,29.6 ccw(c40.9,29.6) 40.9,29.3 cw(c40.9,29) 41.2,29 41.2,28.3 ccw(c41.3,28.3) 41.3,28.2
  region net NetC31_2: 41.964,61.2 ccw(c41.964,61.348) 42.112,61.348 42.112,63.398 cw(c42.615,63.398) 42.615,63.9 43.5,63.9 ccw(c43.5,64.2) 43.8,64.2 43.8,64.8 cw(c44.2,64.8) 44.2,65.2 45.4,65.2 ccw(c45.4,65.6) 45.8,65.6 45.8,71.9 ccw(c45.5,71.9) 45.5,72.2 38.209,72.2 ccw(c38.209,71.541) 37.55,71.541 37.55,70.95 cw(c37.1,70.95) 37.1,70.5 35.9,70.5 35.9,67 36.9,67 cw(c36.9,66.4) 37.5,66.4 37.5,65.7 ccw(c37.9,65.7) 37.9,65.3 39.8,65.3 cw(c39.8,64.5) 40.6,64.5 40.6,62.6 ccw(c40.9,62.6) 40.9,62.3 cw(c40.9,62) 41.2,62 41.2,61.3 ccw(c41.3,61.3) 41.3,61.2
  region net NetC30_2: 41.964,44.7 ccw(c41.964,44.848) 42.113,44.848 42.113,46.898 cw(c42.615,46.898) 42.615,47.4 43.5,47.4 ccw(c43.5,47.7) 43.8,47.7 43.8,48.3 cw(c44.2,48.3) 44.2,48.7 45.4,48.7 ccw(c45.4,49.1) 45.8,49.1 45.8,55.4 ccw(c45.5,55.4) 45.5,55.7 38.21,55.7 ccw(c38.21,55.041) 37.55,55.041 37.55,54.45 cw(c37.1,54.45) 37.1,54 35.9,54 35.9,50.5 36.9,50.5 cw(c36.9,49.9) 37.5,49.9 37.5,49.2 ccw(c37.9,49.2) 37.9,48.8 39.8,48.8 cw(c39.8,48) 40.6,48 40.6,46.1 ccw(c40.9,46.1) 40.9,45.8 cw(c40.9,45.5) 41.2,45.5 41.2,44.8 ccw(c41.3,44.8) 41.3,44.7
  region net Vin: 66.848,70.2 ccw(c66.848,72.74) 68.644,70.944 73.756,76.056 ccw(c71.96,77.852) 74.5,77.852 74.5,79.6 ccw(c73.4,79.6) 73.4,80.7 65.9,80.7 ccw(c65.9,79.6) 64.8,79.6 64.8,79.1 cw(c64.2,79.1) 64.2,78.5 59.2,78.5 ccw(c59.2,77.6) 58.3,77.6 58.3,75.3 cw(c57.6,75.3) 57.6,74.6 55.3,74.6 cw(c55.3,75.2) 54.7,75.2 54.7,80.1 ccw(c54,80.1) 54,80.8 52.2,80.8 ccw(c52.2,80.2) 51.6,80.2 51.6,75.9 cw(c50.8,75.9) 50.8,75.1 45.2,75.1 cw(c45.2,75.7) 44.6,75.7 44.6,79.4 ccw(c43.5,79.4) 43.5,80.5 34.75,80.5 ccw(c34.75,79.5) 33.75,79.5 33.75,73.75 ccw(c34.9,73.75) 34.9,72.6 57.2,72.6 cw(c57.2,71.6) 58.2,71.6 58.2,71.45 ccw(c59.45,71.45) 59.45,70.2
  region net NetC37_2: 82.131,75.355 75.007,75.355 ccw(c75.007,72.815) 73.211,74.611 68.744,70.144 ccw(c70.54,68.348) 68,68.348 68,64.356 82.086,64.356 ccw(c82.086,65.271) 83,65.271 83,74.442 ccw(c82.086,74.442)
  region net NetC36_2: 94.955,67.402 cw(c94.955,66.487) 95.87,66.487 95.87,66.309 ccw(c97.679,66.309) 97.679,64.5 102.5,64.5 ccw(c102.5,65) 103,65 103,68.5 ccw(c102.5,68.5) 102.5,69 100.629,69 cw(c100.629,69.914) 99.982,69.268 99.75,69.5 ccw(c99.146,68.896) 99.146,69.75 97.164,69.75 cw(c97.164,70.664) 96.25,70.664 96.25,72.25 ccw(c95.75,72.25) 95.75,72.75 cw(c95.75,73.5) 95,73.5 95,74.442 ccw(c94.086,74.442) 94.086,75.356 84.414,75.356 ccw(c84.414,74.442) 83.5,74.442 83.5,65.414 ccw(c84.414,65.414) 84.414,64.5 87.281,64.5 ccw(c87.281,65.414) 88.196,65.414 88.196,66.487 cw(c89.11,66.487) 89.11,67.402
  region net +24V_S: 100,71 100,70.914 cw(c99.086,70.914) 99.086,70 97.414,70 cw(c97.414,70.914) 96.5,70.914 96.5,79.086 cw(c97.414,79.086) 97.414,80 102.116,80 cw(c102.116,79.086) 103.031,79.086 103.031,74.98 ccw(c103.945,74.98) 103.945,74.065 109.693,74.065 cw(c109.693,73.151) 110.607,73.151 110.607,72.482 ccw(c111.333,72.482) 111.333,71.756 111.632,71.756 cw(c111.632,71.18) 112.208,71.18 112.208,64.734 cw(c111.675,64.734) 111.675,64.201 104.414,64.201 cw(c104.414,65.115) 103.5,65.115 103.5,70.586 ccw(c102.586,70.586) 102.586,71.5 100.5,71.5 ccw(c100.5,71)
  region net NetD7_1: 89.424,60 cw(c89.424,61.024) 88.7,60.3 ccw(c88.393,59.993) 88.393,60.427 88.143,60.427 ccw(c88.143,59.91) 87.777,60.276 87.757,60.256 cw(c87.137,60.878) 87.136,59.999 ccw(c87.207,57.086) 85.146,59.146 cw(c81.172,63.121) 81.172,57.5 59.914,57.5 cw(c59.914,58.414) 59,58.414 59,60.086 cw(c59.914,60.086) 59.914,61 75.793,61 ccw(c75.793,65.121) 78.707,62.207 cw(c81.402,59.513) 81.402,63.323 90.18,63.323 ccw(c90.18,64.143) 91,64.143 91,66.5 cw(c91.5,66.5) 91.5,67 94.586,67 cw(c94.586,66.086) 95.5,66.086 95.5,60.914 cw(c94.586,60.914) 94.586,60
  region net NetC37_2: 80.25,66.5 80.5,66.25 80.5,65
  pour cut-out: 0,0 5.5,0 5.5,10.5 0,10.5
  pour cut-out: 111.85,0 122.6,0 122.6,10.5 111.85,10.5
  pour cut-out: 117.1,79.1 122.6,79.1 122.6,89.6 117.1,89.6
  pour cut-out: 0,79.1 5.5,79.1 5.5,89.6 0,89.6
  pour cut-out: 58.3,79.1 64.3,79.1 64.3,89.6 58.3,89.6
Mid Layer 2:
  pour cut-out: 88.773,58.26 83.821,58.26 cw(c83.821,58.921) 83.354,58.454 62.974,78.834 ccw(c61.178,77.038) 61.178,79.578 32.415,79.578 cw(c32.415,80.192) 31.801,80.192 31.801,81.229 cw(c32.41,81.229) 32.41,81.839 cw(c32.41,80.919) 33.061,81.569 33.477,81.153 ccw(c34.704,82.379) 34.704,80.645 62.321,80.645 cw(c62.321,78.105) 64.117,79.901 82.747,61.271 ccw(c84.543,63.067) 84.543,60.527 88.19,60.527 cw(c88.19,59.944) 88.773,59.944
Bottom Layer:
  pour cut-out: 32.461,81.686 ccw(c32.461,81.128) 31.902,81.128 31.902,80.975 ccw(c32.461,80.975) 32.461,80.416 ccw(c32.461,81.026) 33.071,81.026 33.071,81.102 ccw(c32.487,81.102) 32.487,81.686
Multi-Layer:
  pour cut-out: 88.236,60.673 ccw(c88.236,60.174) 87.736,60.174 87.736,59.076 ccw(c88.214,59.076) 88.214,58.598 ccw(c88.214,59.106) 88.722,59.106 88.722,60.187 ccw(c88.236,60.187)

## Silkscreen, mask and mechanical layers (free items; w line width, h text height)
Top Overlay:
  text "+" at 36.617,76.2 h0.8
  text "*" at 50.333,52.324 h0.8
  text "*" at 65.583,52.324 h0.8
  text "LSR Power 2k23 v1.0.0" at 97.779,1.256 h0.8
Mechanical 2:
  rectangle: 107.6,0 122.6,60

## Dimensions
0,89.6 to 0,0 on Mechanical 13
0,0 to 122.6,0 on Mechanical 13